# KiCad board Quanta75_RP2040Stamp_JLCPCBAoptimized.kicad_pcb
title: Quanta Keyboard PCB (RP2040 Stamp); date: 2023-06-11; rev: 3.2; company: 0bsilab; note: by Lucas Placentino; note: Version with RP2040 Stamp microcontroller from Solder Party
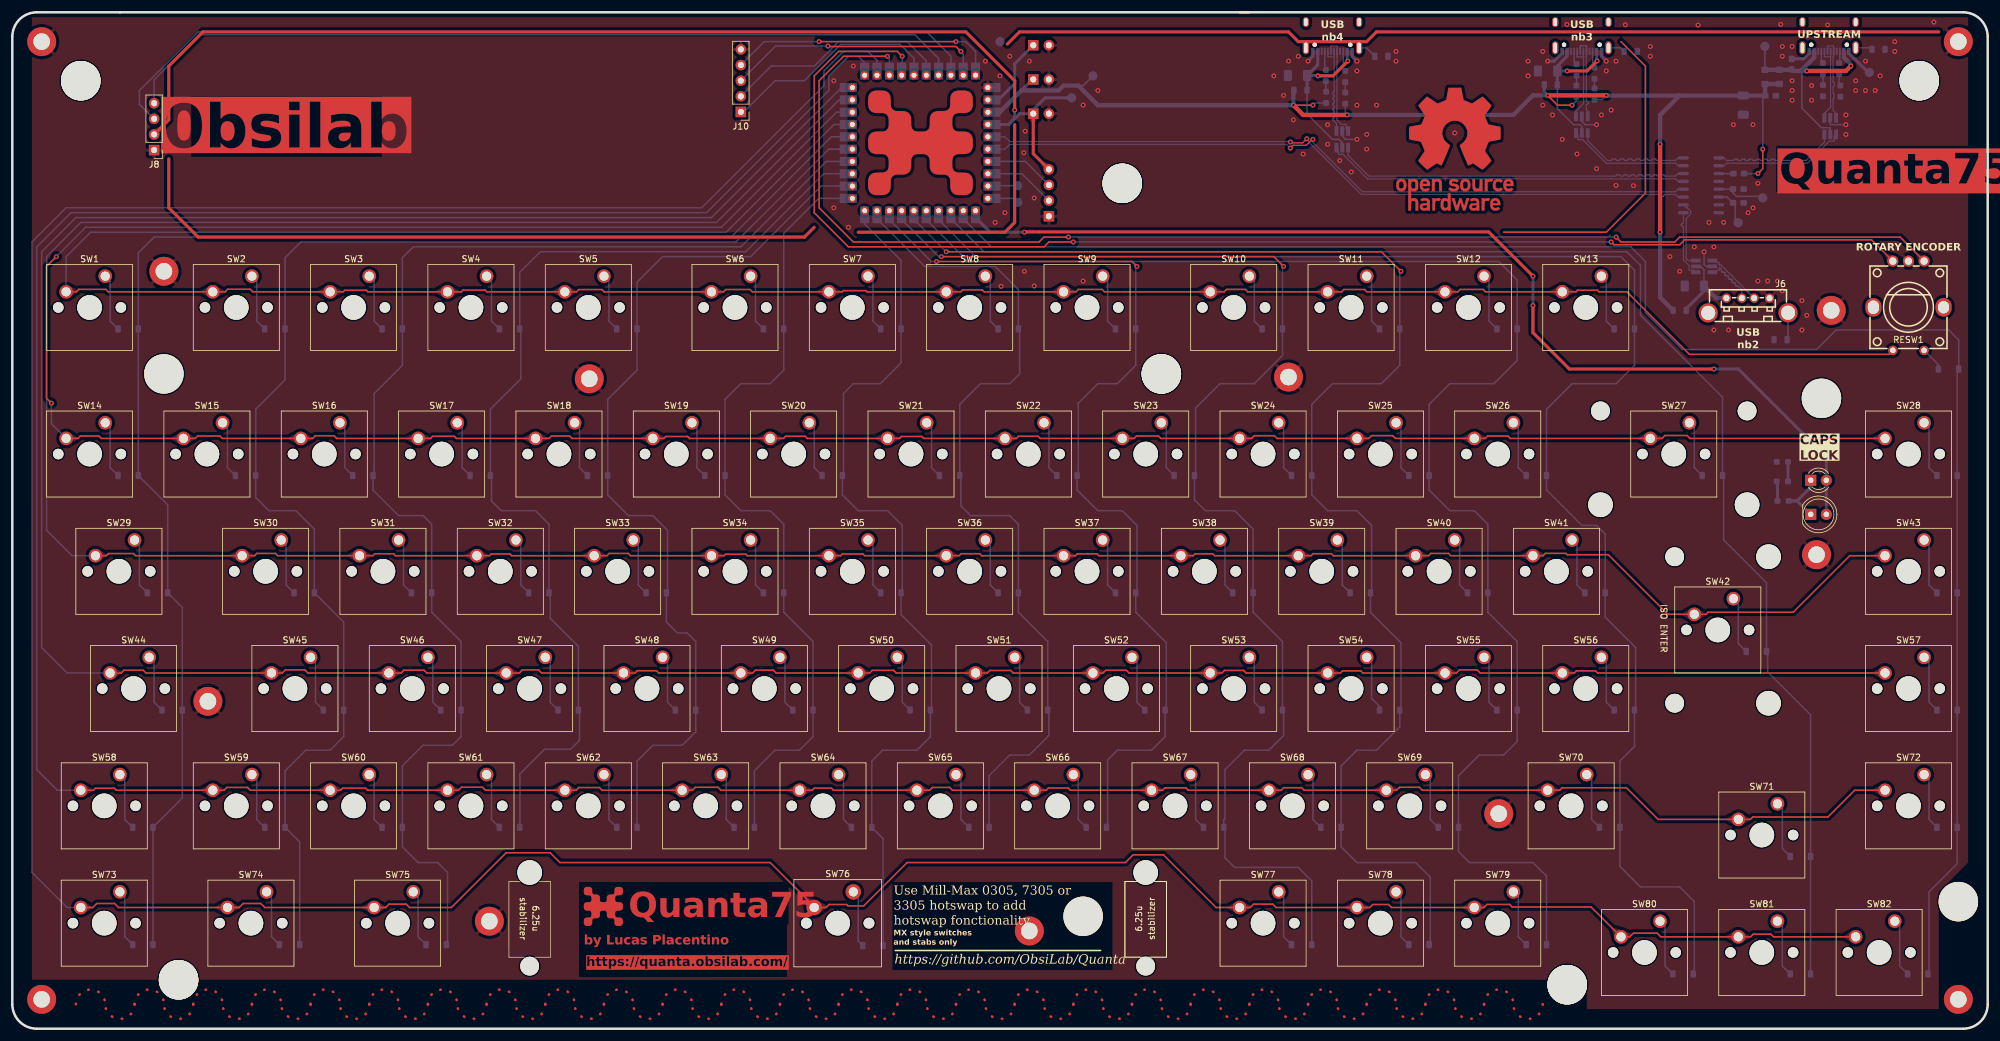
[diagram p0: board, top side]
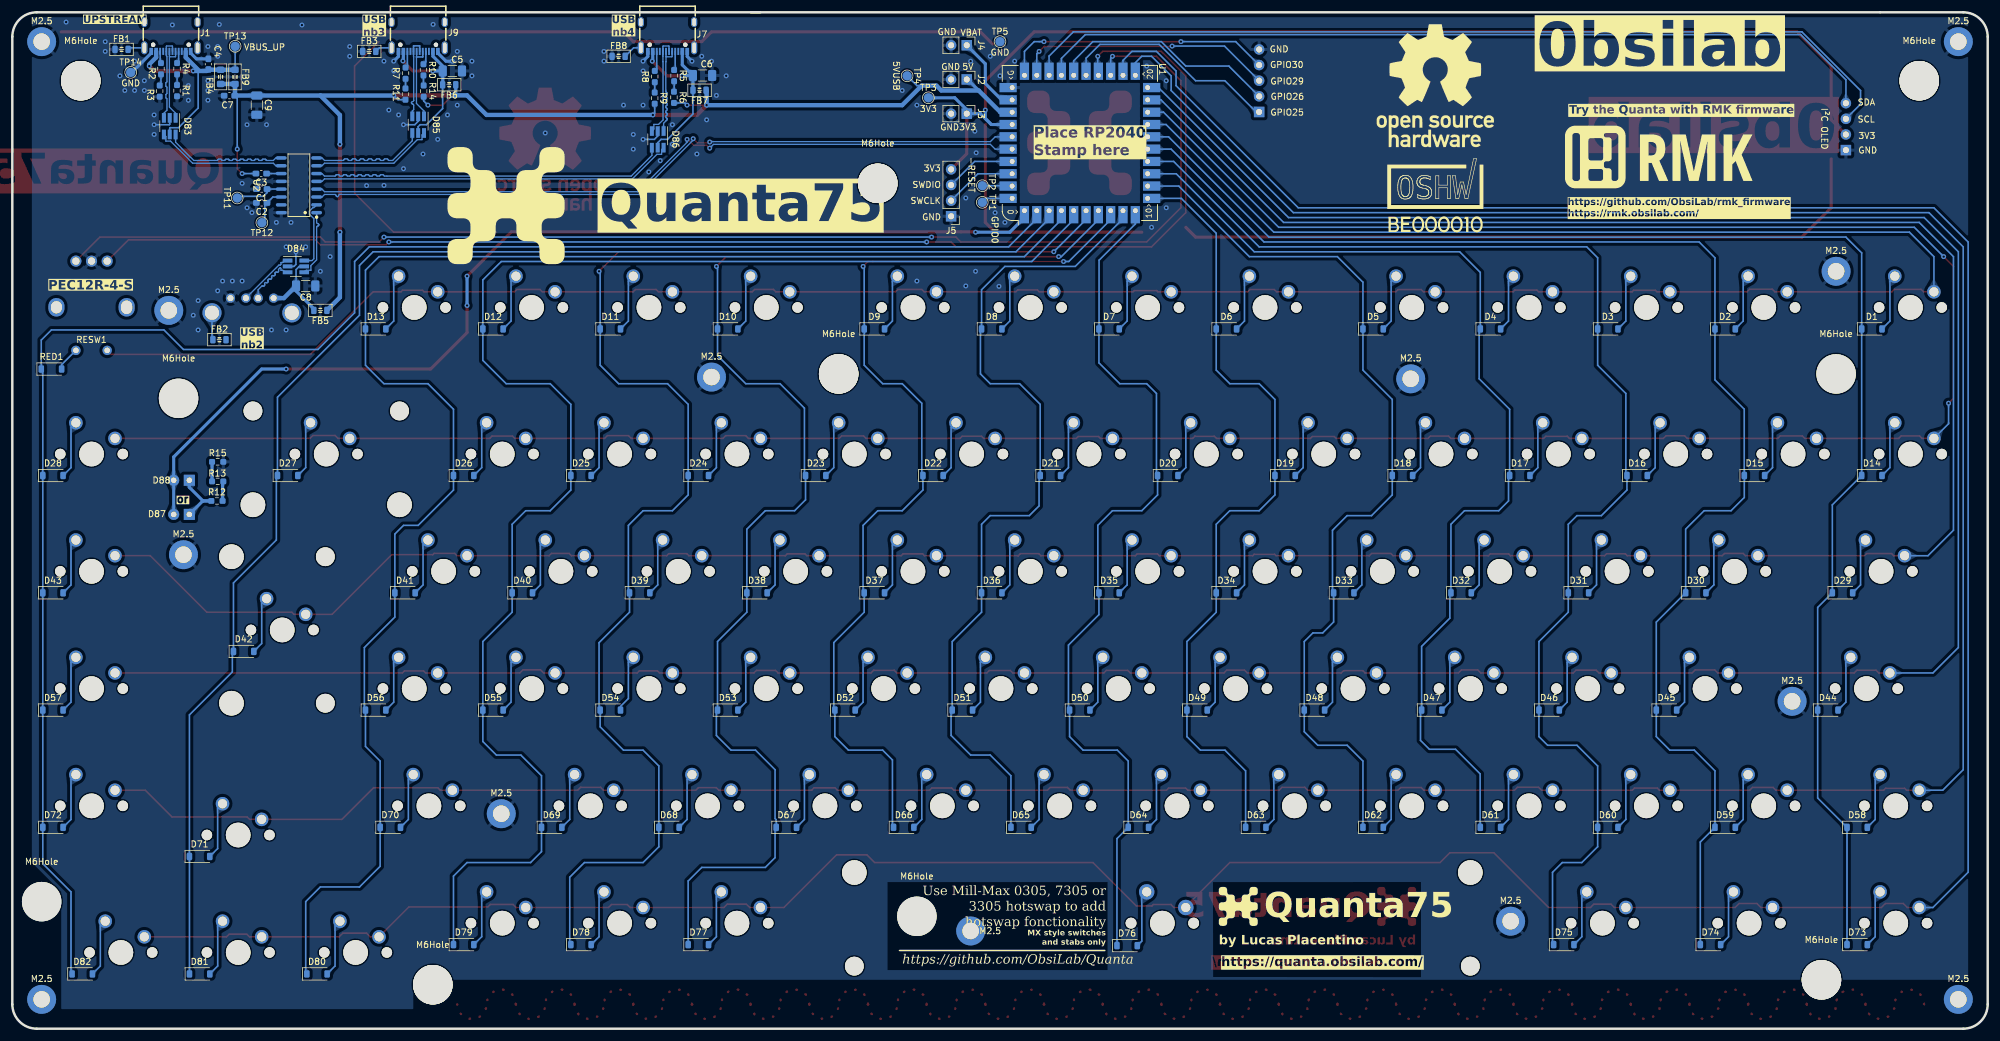
[diagram p1: board, bottom side, seen from below]

Outline 320.68 x 165.1 mm; copper layers: Top, Bottom. Coordinates in mm from the lower left corner of the outline.
Outline path: 200.82,165.1 3.97,165.1 arc(1.16,163.94) 0,161.13 0,3.97 arc(1.16,1.16) 3.97,0 316.71,0 arc(319.51,1.16) 320.68,3.97 320.68,161.13 arc(319.51,163.94) 316.71,165.1 199.23,165.1
Stack: Top 0.035mm / dielectric 1.51mm FR4 er 4.5 / Bottom 0.035mm

## Placement (name value [footprint] x y rotation side)
6.25u stabilizer  -  [Stabilizer_Cherry_MX_6.25u]  133.99 17.15 180 top
C1  10uF  [C_0603_1608Metric_Pad1.08x0.95mm_HandSolder]  280.19 136.38 0 bottom
C2  10uF  [C_0603_1608Metric_Pad1.08x0.95mm_HandSolder]  280.19 134.14 0 bottom
C3  100nF  [C_0603_1608Metric_Pad1.08x0.95mm_HandSolder]  280.26 138.91 0 bottom
C4  10uF  [C_0603_1608Metric_Pad1.08x0.95mm_HandSolder]  288.85 156.68 270 bottom
C5  100uF  [C_1206_3216Metric_Pad1.33x1.80mm_HandSolder]  249.24 155.57 180 bottom
C6  100uF  [C_1206_3216Metric_Pad1.33x1.80mm_HandSolder]  208.63 154.84 180 bottom
C7  100nF  [C_0603_1608Metric_Pad1.08x0.95mm_HandSolder]  285.43 151.55 180 bottom
C8  100uF  [C_1206_3216Metric_Pad1.33x1.80mm_HandSolder]  273.05 120.65 0 bottom
C9  100uF  [C_1206_3216Metric_Pad1.33x1.80mm_HandSolder]  280.99 150.02 90 bottom
D1  DIODE  [D_SOD-123]  18.81 113.67 180 bottom
D2  DIODE  [D_SOD-123]  42.62 113.67 180 bottom
D3  DIODE  [D_SOD-123]  61.67 113.67 180 bottom
D4  DIODE  [D_SOD-123]  80.72 113.67 180 bottom
D5  DIODE  [D_SOD-123]  99.77 113.67 180 bottom
D6  DIODE  [D_SOD-123]  123.58 113.67 180 bottom
D7  DIODE  [D_SOD-123]  142.63 113.67 180 bottom
D8  DIODE  [D_SOD-123]  161.68 113.67 180 bottom
D9  DIODE  [D_SOD-123]  180.73 113.67 180 bottom
D10  DIODE  [D_SOD-123]  204.54 113.67 180 bottom
D11  DIODE  [D_SOD-123]  223.59 113.67 180 bottom
D12  DIODE  [D_SOD-123]  242.64 113.67 180 bottom
D13  DIODE  [D_SOD-123]  261.69 113.67 180 bottom
D14  DIODE  [D_SOD-123]  18.81 89.86 180 bottom
D15  DIODE  [D_SOD-123]  37.86 89.86 180 bottom
D16  DIODE  [D_SOD-123]  56.91 89.86 180 bottom
D17  DIODE  [D_SOD-123]  75.96 89.86 180 bottom
D18  DIODE  [D_SOD-123]  95.01 89.86 180 bottom
D19  DIODE  [D_SOD-123]  114.06 89.86 180 bottom
D20  DIODE  [D_SOD-123]  133.11 89.86 180 bottom
D21  DIODE  [D_SOD-123]  152.16 89.86 180 bottom
D22  DIODE  [D_SOD-123]  171.21 89.86 180 bottom
D23  DIODE  [D_SOD-123]  190.26 89.86 180 bottom
D24  DIODE  [D_SOD-123]  209.31 89.86 180 bottom
D25  DIODE  [D_SOD-123]  228.36 89.86 180 bottom
D26  DIODE  [D_SOD-123]  247.41 89.86 180 bottom
D27  DIODE  [D_SOD-123]  275.98 89.86 180 bottom
D28  DIODE  [D_SOD-123]  314.08 89.86 180 bottom
D29  DIODE  [D_SOD-123]  23.57 70.81 180 bottom
D30  DIODE  [D_SOD-123]  47.38 70.81 180 bottom
D31  DIODE  [D_SOD-123]  66.43 70.81 180 bottom
D32  DIODE  [D_SOD-123]  85.48 70.81 180 bottom
D33  DIODE  [D_SOD-123]  104.53 70.81 180 bottom
D34  DIODE  [D_SOD-123]  123.58 70.81 180 bottom
D35  DIODE  [D_SOD-123]  142.63 70.81 180 bottom
D36  DIODE  [D_SOD-123]  161.68 70.81 180 bottom
D37  DIODE  [D_SOD-123]  180.73 70.81 180 bottom
D38  DIODE  [D_SOD-123]  199.78 70.81 180 bottom
D39  DIODE  [D_SOD-123]  218.83 70.81 180 bottom
D40  DIODE  [D_SOD-123]  237.88 70.81 180 bottom
D41  DIODE  [D_SOD-123]  256.93 70.81 180 bottom
D42  DIODE  [D_SOD-123]  283.13 61.28 180 bottom
D43  DIODE  [D_SOD-123]  314.08 70.81 180 bottom
D44  DIODE  [D_SOD-123]  25.95 51.76 180 bottom
D45  DIODE  [D_SOD-123]  52.14 51.76 180 bottom
D46  DIODE  [D_SOD-123]  71.19 51.76 180 bottom
D47  DIODE  [D_SOD-123]  90.24 51.76 180 bottom
D48  DIODE  [D_SOD-123]  109.29 51.76 180 bottom
D49  DIODE  [D_SOD-123]  128.34 51.76 180 bottom
D50  DIODE  [D_SOD-123]  147.39 51.76 180 bottom
D51  DIODE  [D_SOD-123]  166.44 51.76 180 bottom
D52  DIODE  [D_SOD-123]  185.49 51.76 180 bottom
D53  DIODE  [D_SOD-123]  204.54 51.76 180 bottom
D54  DIODE  [D_SOD-123]  223.59 51.76 180 bottom
D55  DIODE  [D_SOD-123]  242.64 51.76 180 bottom
D56  DIODE  [D_SOD-123]  261.69 51.76 180 bottom
D57  DIODE  [D_SOD-123]  314.08 51.76 180 bottom
D58  DIODE  [D_SOD-123]  21.19 32.71 180 bottom
D59  DIODE  [D_SOD-123]  42.62 32.71 180 bottom
D60  DIODE  [D_SOD-123]  61.67 32.71 180 bottom
D61  DIODE  [D_SOD-123]  80.72 32.71 180 bottom
D62  DIODE  [D_SOD-123]  99.77 32.71 180 bottom
D63  DIODE  [D_SOD-123]  118.82 32.71 180 bottom
D64  DIODE  [D_SOD-123]  137.87 32.71 180 bottom
D65  DIODE  [D_SOD-123]  156.92 32.71 180 bottom
D66  DIODE  [D_SOD-123]  175.97 32.71 180 bottom
D67  DIODE  [D_SOD-123]  195.02 32.71 180 bottom
D68  DIODE  [D_SOD-123]  214.07 32.71 180 bottom
D69  DIODE  [D_SOD-123]  233.12 32.71 180 bottom
D70  DIODE  [D_SOD-123]  259.31 32.71 180 bottom
D71  DIODE  [D_SOD-123]  290.27 27.97 180 bottom
D72  DIODE  [D_SOD-123]  314.08 32.71 180 bottom
D73  DIODE  [D_SOD-123]  21.19 13.66 180 bottom
D74  DIODE  [D_SOD-123]  45 13.66 180 bottom
D75  DIODE  [D_SOD-123]  68.81 13.66 180 bottom
D76  DIODE  [D_SOD-123]  139.7 13.49 180 bottom
D77  DIODE  [D_SOD-123]  209.31 13.66 180 bottom
D78  DIODE  [D_SOD-123]  228.36 13.66 180 bottom
D79  DIODE  [D_SOD-123]  247.41 13.66 180 bottom
D80  DIODE  [D_SOD-123]  271.22 8.89 180 bottom
D81  DIODE  [D_SOD-123]  290.27 8.89 180 bottom
D82  DIODE  [D_SOD-123]  309.32 8.89 180 bottom
D83  USBLC6-2SC6  [SOT-23-6_Handsoldering]  295.12 146.61 270 bottom
D84  USBLC6-2SC6  [SOT-23-6_Handsoldering]  274.64 123.83 180 bottom
D85  USBLC6-2SC6  [SOT-23-6_Handsoldering]  254.79 146.84 270 bottom
D86  USBLC6-2SC6  [SOT-23-6_Handsoldering]  215.9 144.46 270 bottom
D87  Amber LED  [LED_D5.0mm_Clear]  291.94 83.54 0 top
D88  Amber LED  [LED_D3.0mm_Clear]  291.94 89.08 0 top
FB1  600R  [Ferrite_0805_2012Metric]  302.94 159.08 180 bottom
FB2  600R  [Ferrite_0805_2012Metric]  287.05 111.92 180 bottom
FB3  600R  [Ferrite_0805_2012Metric]  262.73 158.75 180 bottom
FB4  100R 800mA  [Ferrite_0805_2012Metric_Pad1.05x1.20mm_BigPads]  286.86 154.61 270 bottom
FB5  600R 500mA  [Ferrite_0805_2012Metric]  270.67 116.68 0 bottom
FB6  600R 500mA  [Ferrite_0805_2012Metric]  249.75 153.33 0 bottom
FB7  600R 500mA  [Ferrite_0805_2012Metric]  209.12 152.45 0 bottom
FB8  600R  [Ferrite_0805_2012Metric]  222.25 157.96 180 bottom
FB9  100R 800mA  [Ferrite_0805_2012Metric_Pad1.05x1.20mm_BigPads]  284.53 154.6 270 bottom
J1  USB_C_Receptacle_USB2.0  [USB-C-SMD_G-SWITCH_GT-USB-7010EN]  294.92 161.13 0 bottom
J2  Conn_01x02_Socket VBUS 5V  [PinHeader_1x02_P2.54mm_Vertical]  165.74 154.19 270 bottom
J3  Conn_01x02_Socket 3V3  [PinHeader_1x02_P2.54mm_Vertical]  165.74 148.64 270 bottom
J4  Conn_01x02_Socket VBAT  [PinHeader_1x02_P2.54mm_Vertical]  165.74 159.75 270 bottom
J5  Conn_01x04_Socket SWD  [PinHeader_1x04_P2.54mm_Vertical]  168.28 131.97 0 bottom
J6  USB_A_Receptacle_UBS2.0  [USB-A-TH_KH-AF180ZJ-13.7]  281.78 117.47 0 top
J7  USB_C_Receptacle_USB2.0  [USB-C-SMD_G-SWITCH_GT-USB-7010EN]  214.31 161.13 0 bottom
J8  Conn_01x04_Socket I2C display  [PinHeader_1x04_P2.54mm_Vertical]  23.02 142.72 180 top
J9  USB_C_Receptacle_USB2.0  [USB-C-SMD_G-SWITCH_GT-USB-7010EN]  254.79 161.13 0 bottom
J10  Conn_01x05_Socket GPIOs  [PinHeader_1x05_P2.54mm_Vertical]  118.27 148.91 180 top
M2.5  -  [MountingHole_2.7mm_M2.5_DIN965_Pad]  295.28 116.68 0 top
M2.5#2  -  [MountingHole_2.7mm_M2.5_DIN965_Pad]  4.76 160.34 0 top
M2.5#3  -  [MountingHole_2.7mm_M2.5_DIN965_Pad]  292.89 76.99 0 top
M2.5#4  -  [MountingHole_2.7mm_M2.5_DIN965_Pad]  93.66 105.57 0 top
M2.5#5  -  [MountingHole_2.7mm_M2.5_DIN965_Pad]  315.91 4.76 0 top
M2.5#6  -  [MountingHole_2.7mm_M2.5_DIN965_Pad]  31.75 53.18 0 top
M2.5#7  -  [MountingHole_2.7mm_M2.5_DIN965_Pad]  24.61 123.03 0 top
M2.5#8  -  [MountingHole_2.7mm_M2.5_DIN965_Pad]  207.17 105.85 0 top
M2.5#9  -  [MountingHole_2.7mm_M2.5_DIN965_Pad]  77.44 17.46 0 top
M2.5#10  -  [MountingHole_2.7mm_M2.5_DIN965_Pad]  241.3 34.93 0 top
M2.5#11  -  [MountingHole_2.7mm_M2.5_DIN965_Pad]  315.91 160.34 0 top
M2.5#12  -  [MountingHole_2.7mm_M2.5_DIN965_Pad]  4.76 4.76 0 top
M2.5#13  -  [MountingHole_2.7mm_M2.5_DIN965_Pad]  165.1 15.88 0 top
M6Hole  -  [MountingHole_6.4mm_M6_DIN965]  186.53 106.36 0 top
M6Hole#2  MountingHole_6.4mm_M6_DIN965  [MountingHole_6.4mm_M6_DIN965#2]  24.61 106.36 0 top
M6Hole#3  -  [MountingHole_6.4mm_M6_DIN965]  11.11 153.99 0 top
M6Hole#4  MountingHole_6.4mm_M6_DIN965  [MountingHole_6.4mm_M6_DIN965#2]  173.83 18.26 0 top
M6Hole#5  MountingHole_6.4mm_M6_DIN965  [MountingHole_6.4mm_M6_DIN965#2]  315.91 20.64 0 top
M6Hole#6  MountingHole_6.4mm_M6_DIN965  [MountingHole_6.4mm_M6_DIN965#2]  293.69 102.39 0 top
M6Hole#7  -  [MountingHole_6.4mm_M6_DIN965]  180.18 137.32 0 top
M6Hole#8  -  [MountingHole_6.4mm_M6_DIN965]  26.99 7.94 0 top
M6Hole#9  -  [MountingHole_6.4mm_M6_DIN965]  252.41 7.14 0 top
M6Hole#10  -  [MountingHole_6.4mm_M6_DIN965]  309.56 153.99 0 top
OSHW-logo  -  [OSHW-Logo_19x20mm_Copper]  89.69 153.19 180 bottom
Quanta***  LOGO  [Quanta-logo]  147.43 143.9 0 top
R1  120R  [R_0603_1608Metric_Pad0.98x0.95mm_HandSolder]  293.94 152.37 270 bottom
R2  4k99  [R_0603_1608Metric_Pad0.98x0.95mm_HandSolder]  296.54 155.94 270 bottom
R3  120R  [R_0603_1608Metric_Pad0.98x0.95mm_HandSolder]  296.75 152.3 270 bottom
R4  4k99  [R_0603_1608Metric_Pad0.98x0.95mm_HandSolder]  293.93 155.94 270 bottom
R5  43k  [R_0603_1608Metric_Pad0.98x0.95mm_HandSolder]  213.24 154.82 270 bottom
R6  15k  [R_0603_1608Metric_Pad0.98x0.95mm_HandSolder]  213.27 151.29 270 bottom
R7  43k  [R_0603_1608Metric_Pad0.98x0.95mm_HandSolder]  256.84 155.21 270 bottom
R8  43k  [R_0603_1608Metric_Pad0.98x0.95mm_HandSolder]  216.38 154.67 270 bottom
R9  15k  [R_0603_1608Metric_Pad0.98x0.95mm_HandSolder]  216.39 151.16 270 bottom
R10  43k  [R_0603_1608Metric_Pad0.98x0.95mm_HandSolder]  253.93 155.76 270 bottom
R11  15k  [R_0603_1608Metric_Pad0.98x0.95mm_HandSolder]  256.85 151.82 270 bottom
R12  120R  [R_0603_1608Metric_Pad0.98x0.95mm_HandSolder]  287.46 85.72 180 bottom
R13  120R  [R_0603_1608Metric_Pad0.98x0.95mm_HandSolder]  287.34 88.9 0 bottom
R14  15k  [R_0603_1608Metric_Pad0.98x0.95mm_HandSolder]  253.9 152.3 270 bottom
R15  120R  [R_0603_1608Metric_Pad0.98x0.95mm_HandSolder]  287.34 92.07 180 bottom
RED1  DIODE  [D_SOD-123]  314.33 107.16 180 bottom
REF**  -  [OSHW-Logo_19x20mm_Copper]  234.16 142.88 0 top
RESW1  RotaryEncoder_Switch  [SW-TH_PEC12R-4120F-S0012]  307.82 117.44 180 top
SW1  SW_Push  [SW_Cherry_MX_1.00u_PCB]  15.08 122.24 0 top
SW2  SW_Push  [SW_Cherry_MX_1.00u_PCB]  38.89 122.24 0 top
SW3  SW_Push  [SW_Cherry_MX_1.00u_PCB]  57.94 122.24 0 top
SW4  SW_Push  [SW_Cherry_MX_1.00u_PCB]  76.99 122.24 0 top
SW5  SW_Push  [SW_Cherry_MX_1.00u_PCB]  96.04 122.24 0 top
SW6  SW_Push  [SW_Cherry_MX_1.00u_PCB]  119.86 122.24 0 top
SW7  SW_Push  [SW_Cherry_MX_1.00u_PCB]  138.91 122.24 0 top
SW8  SW_Push  [SW_Cherry_MX_1.00u_PCB]  157.96 122.24 0 top
SW9  SW_Push  [SW_Cherry_MX_1.00u_PCB]  177.01 122.24 0 top
SW10  SW_Push  [SW_Cherry_MX_1.00u_PCB]  200.82 122.24 0 top
SW11  SW_Push  [SW_Cherry_MX_1.00u_PCB]  219.87 122.24 0 top
SW12  SW_Push  [SW_Cherry_MX_1.00u_PCB]  238.92 122.24 0 top
SW13  SW_Push  [SW_Cherry_MX_1.00u_PCB]  257.97 122.24 0 top
SW14  SW_Push  [SW_Cherry_MX_1.00u_PCB]  15.08 98.43 0 top
SW15  SW_Push  [SW_Cherry_MX_1.00u_PCB]  34.13 98.43 0 top
SW16  SW_Push  [SW_Cherry_MX_1.00u_PCB]  53.18 98.43 0 top
SW17  SW_Push  [SW_Cherry_MX_1.00u_PCB]  72.23 98.43 0 top
SW18  SW_Push  [SW_Cherry_MX_1.00u_PCB]  91.28 98.43 0 top
SW19  SW_Push  [SW_Cherry_MX_1.00u_PCB]  110.33 98.43 0 top
SW20  SW_Push  [SW_Cherry_MX_1.00u_PCB]  129.38 98.43 0 top
SW21  SW_Push  [SW_Cherry_MX_1.00u_PCB]  148.43 98.43 0 top
SW22  SW_Push  [SW_Cherry_MX_1.00u_PCB]  167.48 98.43 0 top
SW23  SW_Push  [SW_Cherry_MX_1.00u_PCB]  186.53 98.43 0 top
SW24  SW_Push  [SW_Cherry_MX_1.00u_PCB]  205.58 98.43 0 top
SW25  SW_Push  [SW_Cherry_MX_1.00u_PCB]  224.63 98.43 0 top
SW26  SW_Push  [SW_Cherry_MX_1.00u_PCB]  243.68 98.43 0 top
SW27  SW_Push  [SW_Cherry_MX_2.00u_PCB]  272.26 98.43 0 top
SW28  SW_Push  [SW_Cherry_MX_1.00u_PCB]  310.36 98.43 0 top
SW29  SW_Push  [SW_Cherry_MX_1.50u_PCB]  19.84 79.38 0 top
SW30  SW_Push  [SW_Cherry_MX_1.00u_PCB]  43.66 79.38 0 top
SW31  SW_Push  [SW_Cherry_MX_1.00u_PCB]  62.71 79.38 0 top
SW32  SW_Push  [SW_Cherry_MX_1.00u_PCB]  81.76 79.38 0 top
SW33  SW_Push  [SW_Cherry_MX_1.00u_PCB]  100.81 79.38 0 top
SW34  SW_Push  [SW_Cherry_MX_1.00u_PCB]  119.86 79.38 0 top
SW35  SW_Push  [SW_Cherry_MX_1.00u_PCB]  138.91 79.38 0 top
SW36  SW_Push  [SW_Cherry_MX_1.00u_PCB]  157.96 79.38 0 top
SW37  SW_Push  [SW_Cherry_MX_1.00u_PCB]  177.01 79.38 0 top
SW38  SW_Push  [SW_Cherry_MX_1.00u_PCB]  196.06 79.38 0 top
SW39  SW_Push  [SW_Cherry_MX_1.00u_PCB]  215.11 79.38 0 top
SW40  SW_Push  [SW_Cherry_MX_1.00u_PCB]  234.16 79.38 0 top
SW41  SW_Push  [SW_Cherry_MX_1.00u_PCB]  253.21 79.38 0 top
SW42  SW_Push  [SW_Cherry_MX_ISOEnter_PCB]  279.4 69.85 0 top
SW43  SW_Push  [SW_Cherry_MX_1.00u_PCB]  310.36 79.38 0 top
SW44  SW_Push  [SW_Cherry_MX_1.75u_PCB]  22.23 60.32 0 top
SW45  SW_Push  [SW_Cherry_MX_1.00u_PCB]  48.42 60.32 0 top
SW46  SW_Push  [SW_Cherry_MX_1.00u_PCB]  67.47 60.32 0 top
SW47  SW_Push  [SW_Cherry_MX_1.00u_PCB]  86.52 60.32 0 top
SW48  SW_Push  [SW_Cherry_MX_1.00u_PCB]  105.57 60.32 0 top
SW49  SW_Push  [SW_Cherry_MX_1.00u_PCB]  124.62 60.32 0 top
SW50  SW_Push  [SW_Cherry_MX_1.00u_PCB]  143.67 60.32 0 top
SW51  SW_Push  [SW_Cherry_MX_1.00u_PCB]  162.72 60.32 0 top
SW52  SW_Push  [SW_Cherry_MX_1.00u_PCB]  181.77 60.32 0 top
SW53  SW_Push  [SW_Cherry_MX_1.00u_PCB]  200.82 60.32 0 top
SW54  SW_Push  [SW_Cherry_MX_1.00u_PCB]  219.87 60.32 0 top
SW55  SW_Push  [SW_Cherry_MX_1.00u_PCB]  238.92 60.32 0 top
SW56  SW_Push  [SW_Cherry_MX_1.00u_PCB]  257.97 60.32 0 top
SW57  SW_Push  [SW_Cherry_MX_1.00u_PCB]  310.36 60.32 0 top
SW58  SW_Push  [SW_Cherry_MX_1.25u_PCB]  17.46 41.28 0 top
SW59  SW_Push  [SW_Cherry_MX_1.00u_PCB]  38.89 41.28 0 top
SW60  SW_Push  [SW_Cherry_MX_1.00u_PCB]  57.94 41.28 0 top
SW61  SW_Push  [SW_Cherry_MX_1.00u_PCB]  76.99 41.28 0 top
SW62  SW_Push  [SW_Cherry_MX_1.00u_PCB]  96.04 41.28 0 top
SW63  SW_Push  [SW_Cherry_MX_1.00u_PCB]  115.09 41.28 0 top
SW64  SW_Push  [SW_Cherry_MX_1.00u_PCB]  134.14 41.28 0 top
SW65  SW_Push  [SW_Cherry_MX_1.00u_PCB]  153.19 41.28 0 top
SW66  SW_Push  [SW_Cherry_MX_1.00u_PCB]  172.24 41.28 0 top
SW67  SW_Push  [SW_Cherry_MX_1.00u_PCB]  191.29 41.28 0 top
SW68  SW_Push  [SW_Cherry_MX_1.00u_PCB]  210.34 41.28 0 top
SW69  SW_Push  [SW_Cherry_MX_1.00u_PCB]  229.39 41.28 0 top
SW70  SW_Push  [SW_Cherry_MX_1.75u_PCB]  255.59 41.28 0 top
SW71  SW_Push  [SW_Cherry_MX_1.00u_PCB]  286.55 36.54 0 top
SW72  SW_Push  [SW_Cherry_MX_1.00u_PCB]  310.36 41.28 0 top
SW73  SW_Push  [SW_Cherry_MX_1.25u_PCB]  17.46 22.22 0 top
SW74  SW_Push  [SW_Cherry_MX_1.25u_PCB]  41.28 22.22 0 top
SW75  SW_Push  [SW_Cherry_MX_1.25u_PCB]  65.09 22.22 0 top
SW76  SW_Push  [SW_Cherry_MX_PCB_6.25u]  133.99 17.15 0 top
SW77  SW_Push  [SW_Cherry_MX_1.00u_PCB]  205.58 22.22 0 top
SW78  SW_Push  [SW_Cherry_MX_1.00u_PCB]  224.63 22.22 0 top
SW79  SW_Push  [SW_Cherry_MX_1.00u_PCB]  243.68 22.22 0 top
SW80  SW_Push  [SW_Cherry_MX_1.00u_PCB]  267.49 17.46 0 top
SW81  SW_Push  [SW_Cherry_MX_1.00u_PCB]  286.54 17.46 0 top
SW82  SW_Push  [SW_Cherry_MX_1.00u_PCB]  305.59 17.46 0 top
TP1  BOOTSEL  [TestPoint_Pad_D1.5mm]  163.21 134.23 270 bottom
TP2  -RESET  [TestPoint_Pad_D1.5mm]  163.2 136.93 270 bottom
TP3  3V3  [TestPoint_Pad_D1.5mm]  171.97 151.22 180 bottom
TP4  5VUSB  [TestPoint_Pad_D1.5mm]  175.42 154.78 270 bottom
TP5  GND  [TestPoint_Pad_D1.5mm]  160.34 160.34 180 bottom
TP11  VDD3  [TestPoint_Pad_D1.5mm]  284.16 134.94 90 bottom
TP12  VDD18  [TestPoint_Pad_D1.5mm]  280.16 130.93 0 bottom
TP13  VBUS_UP  [TestPoint_Pad_D1.5mm]  284.5 159.58 180 bottom
TP14  GND  [TestPoint_Pad_D1.5mm]  301.46 155.34 180 bottom
U1  RP2040_Stamp  [RP2040_Stamp_THT]  147.37 143.88 90 bottom
U2  SL2.1A  [SOP-16_L10.0-W3.9-P1.27-LS6.0-BL]  274.15 137.01 90 bottom

## Library data of the parts
C1 C2 C4 = -: Description: Unpolarized capacitor; JLCPCB: C96446
C3 C7 = -: Description: Unpolarized capacitor; JLCPCB: C14663
C5 C6 C8 C9 = -: Description: Unpolarized capacitor, small symbol; JLCPCB: C15008
D1 = -: Description: Diode symbol for simulation only. Pin order incompatible with official kicad footprints; JLCPCB: C81598
D2-D82 RED1 = -: Description: Diode symbol for simulation only. Pin order incompatible with official kicad footprints
D83-D86 = -: Description: SOT-23-6 TVS Diode Array, 2 protected lines, positive connection, 5.25V, Alternate KiCAD Library
D87 D88 = -: Description: Light emitting diode
FB1 = -: Description: Ferrite bead; JLCPBC part number: C1017
FB2 FB3 FB8 = -: Description: Ferrite bead; JLCPCB part numb: C1017
FB4 FB9 = -: Description: Ferrite bead, small symbol; JLCPCB part number: C1015
FB5 = -: Description: Ferrite bead, small symbol; JLCPCB part number: C1017
FB6 FB7 = -: Description: Ferrite bead, small symbol; JLCPCB part numb: C1017
J1 J7 J9 = -: Description: USB 2.0-only Type-C Receptacle connector; JLCPCB: C3001293
J2-J4 = -: Description: Generic connector, single row, 01x02, script generated
J5 J8 = -: Description: Generic connector, single row, 01x04, script generated
J6 = -: Description: USB Type A connector; JLCPCB: C2833345
J10 = -: Description: Generic connector, single row, 01x05, script generated
R1 R3 R12 R13 R15 = -: Description: Resistor; JLCPCB: C22787
R2 R4 = -: Description: Resistor; JLCPCB: C23046
R5 R7 R8 R10 = -: Description: Resistor, small symbol; JLCPCB: C23172
R6 R9 R11 R14 = -: Description: Resistor, small symbol; JLCPCB: C22809
RESW1 = -: Description: Rotary encoder, dual channel, incremental quadrate outputs, with switch
SW1-SW82 = -: Description: Push button switch, generic, two pins
TP1-TP5 TP11-TP14 = -: Description: test point
U2 = -: Datasheets: https://datasheet.lcsc.com/lcsc/1811151645_CoreChips-SL2-1A_C192893.pdf; JLC Part: Extended Part; LCSC Part: C192893; Manufacturer: CoreChips(和芯润德)

## Footprints (pads in the part's own frame, mm; a bottom-side part is the same pattern mirrored in y, then rotated)
C_0603_1608Metric_Pad1.08x0.95mm_HandSolder
  rrect 1.075x0.95 smd: 1(-0.863,0) 2(0.863,0)
C_1206_3216Metric_Pad1.33x1.80mm_HandSolder
  rrect 1.325x1.8 smd: 1(-1.562,0) 2(1.562,0)
D_SOD-123
  rrect 0.9x1.2 smd: 1(-1.65,0) 2(1.65,0)
Ferrite_0805_2012Metric
  rrect 0.875x1.2 smd: 1(-1.062,0) 2(1.062,0)
Ferrite_0805_2012Metric_Pad1.05x1.20mm_BigPads
  rrect 1.05x1.2 smd: 1(-1.15,0) 2(1.15,0)
LED_D3.0mm_Clear
  rect 1.8x1.8 hole 0.9: 1(0,0)
  round 1.8 hole 0.9: 2(2.54,0)
LED_D5.0mm_Clear
  rect 1.8x1.8 hole 0.9: 1(0,0)
  round 1.8 hole 0.9: 2(2.54,0)
MountingHole_2.7mm_M2.5_DIN965_Pad
  round 4.7 hole 2.7: 1(0,0)
MountingHole_6.4mm_M6_DIN965
  round 6.4 hole 6.4 unplated: (0,0) (0,0)
MountingHole_6.4mm_M6_DIN965#2
  round 6.4 hole 6.4 unplated: (0,0)
PinHeader_1x02_P2.54mm_Vertical
  rect 1.7x1.7 hole 1: 1(0,0)
  oval 1.7x1.7 hole 1: 2(0,-2.54)
PinHeader_1x04_P2.54mm_Vertical
  rect 1.7x1.7 hole 1: 1(0,0)
  oval 1.7x1.7 hole 1: 2(0,-2.54) 3(0,-5.08) 4(0,-7.62)
PinHeader_1x05_P2.54mm_Vertical
  rect 1.7x1.7 hole 1: 1(0,0)
  oval 1.7x1.7 hole 1: 2(0,-2.54) 3(0,-5.08) 4(0,-7.62) 5(0,-10.16)
R_0603_1608Metric_Pad0.98x0.95mm_HandSolder
  rrect 0.975x0.95 smd: 1(-0.912,0) 2(0.912,0)
RP2040_Stamp_THT
  rect 2.8x1.5 smd: 1(-11.65,9) 2(-11.65,7) 3(-11.65,5) 4(-11.65,3) 5(-11.65,1) 6(-11.65,-1) 7(-11.65,-3) 8(-11.65,-5) 9(-11.65,-7) 10(-11.65,-9) 21(11.65,-9) 22(11.65,-7) 23(11.65,-5) 24(11.65,-3) 25(11.65,-1) 26(11.65,1) 27(11.65,3) 28(11.65,5) 29(11.65,7) 30(11.65,9)
  round 1.35 hole 0.8: 1(-11,9)
  oval 1.35x1.35 hole 0.8: 2(-11,7) 3(-11,5) 4(-11,3) 5(-11,1) 6(-11,-1) 7(-11,-3) 8(-11,-5) 9(-11,-7) 10(-11,-9) 11(-9,-11) 12(-7,-11) 13(-5,-11) 14(-3,-11) 15(-1,-11) 16(1,-11) 17(3,-11) 18(5,-11) 19(7,-11) 20(9,-11) 21(11,-9) 22(11,-7) 23(11,-5) 24(11,-3) 25(11,-1) 26(11,1) 27(11,3) 28(11,5) 29(11,7) 30(11,9) 31(9,11) 32(7,11) 33(5,11) 34(3,11) 35(1,11) 36(-1,11) 37(-3,11) 38(-5,11) 39(-7,11) 40(-9,11)
  rect 1.5x2.8 smd: 11(-9,-11.65) 12(-7,-11.65) 13(-5,-11.65) 14(-3,-11.65) 15(-1,-11.65) 16(1,-11.65) 17(3,-11.65) 18(5,-11.65) 19(7,-11.65) 20(9,-11.65) 31(9,11.65) 32(7,11.65) 33(5,11.65) 34(3,11.65) 35(1,11.65) 36(-1,11.65) 37(-3,11.65) 38(-5,11.65) 39(-7,11.65) 40(-9,11.65)
SOP-16_L10.0-W3.9-P1.27-LS6.0-BL
  oval 0.56x1.75 smd: 1(-4.45,-2.87) 2(-3.18,-2.87) 3(-1.91,-2.87) 4(-0.63,-2.87) 5(0.63,-2.87) 6(1.9,-2.87) 7(3.17,-2.87) 8(4.44,-2.87) 9(4.44,2.87) 10(3.17,2.87) 11(1.9,2.87) 12(0.63,2.87) 13(-0.63,2.87) 14(-1.91,2.87) 15(-3.18,2.87) 16(-4.45,2.87)
SOT-23-6_Handsoldering
  rect 1.56x0.65 smd: 1(-1.35,0.95) 2(-1.35,0) 3(-1.35,-0.95) 4(1.35,-0.95) 5(1.35,0) 6(1.35,0.95)
Stabilizer_Cherry_MX_6.25u
  round 3.048 hole 3.048 unplated: (-50,6.985) (50,6.985)
  round 3.988 hole 3.988 unplated: (-50,-8.225) (50,-8.225)
SW-TH_PEC12R-4120F-S0012
  round 1.52 hole 0.914: 1(-2.54,7.25) 2(2.54,7.25)
  oval 2.6x3 hole 1.8x2.2: 3(5.7,0.25)